# Altium PCB teletext2.PcbDoc (part 2 of 2)
Units mm, origin at the board's own origin, x right, y up, seen from the top; angles counter-clockwise.
Board outline 80 x 55 mm, 4 copper layers (Top Layer, Int1(Power), Int2(GND), Bottom Layer), stack 1.5 mm thick; 102 components, 116 nets, 522 pads, 118 vias.
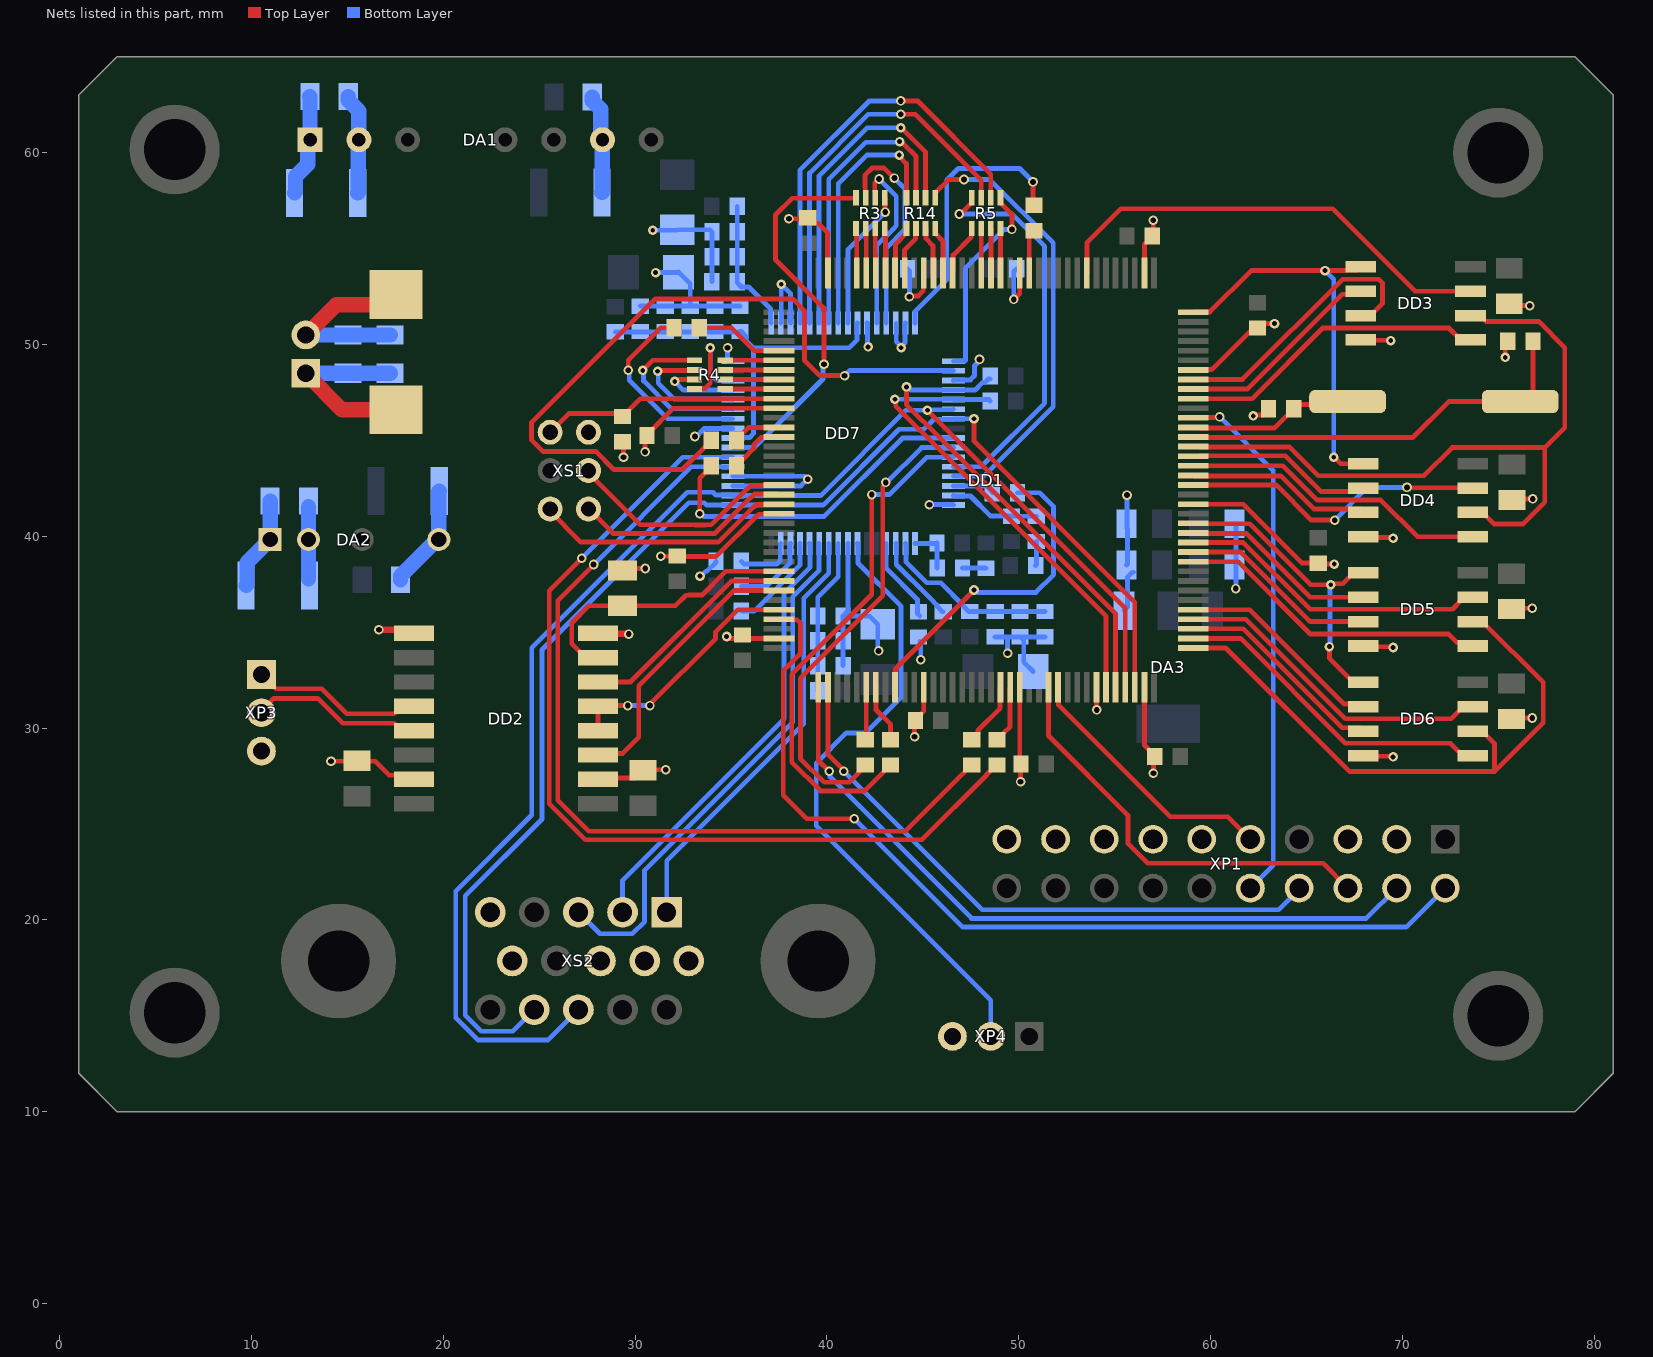
[diagram p4: the nets of this part, all layers, seen from the top]

## Via types
v1: diameter 0.5, hole 0.3, Top Layer to Bottom Layer, tented both sides, 70 vias
v2: diameter 0.5, hole 0.25, Top Layer to Bottom Layer, tented both sides, 44 vias
v3: diameter 0.5, hole 0.3, Top Layer to Bottom Layer, 4 vias

## Nets (pads, with @x,y where several pads share a name; then routed paths per layer and width w, separated by ;. In a path a pad name is that pad's centre, name@x,y a point inside that pad or via, vN(x,y) a via of type N, cw(c..) or ccw(c..) an arc to the next point about the centre after c; other vN are vias at no path point) (continued)
+27В: C1.2 C2.1 C3.1 C24.1 C25.1 C29.1 C31.1 DA1.2 DA2.2 XP2.1 | length 18.9
  Top Layer w0.8: XP2.1@12.835,48.495 14.735,46.595 C1.2@17.535,46.595
  Bottom Layer w0.8: XP2.1@12.835,48.495 C3.1@17.235,48.495 ; C31.1@12.975,37.782 DA2.2@12.975,39.832 C25.1@12.975,41.532 ; C24.1@15.05,62.925 15.05,62.725 15.605,62.17 DA1.2@15.605,60.675 15.577,60.647 15.577,57.928 C29.1@15.55,57.9
Analog_blue: DD7.43 XS2.3 | length 27.7
  Bottom Layer w0.25: XS2.3@27.05,20.4 28.175,19.275 29.861,19.275 30.5,19.914 30.5,22.585 38.225,30.31 38.225,36.845 39.6,38.22 DD7.43@39.6,39.625
Analog_Green: DD7.44 XS2.2 | length 23.3
  Bottom Layer w0.25: XS2.2@29.35,20.4 29.35,22.071 37.775,30.496 37.775,37.031 39.125,38.381 39.125,39.6 DD7.44@39.1,39.625
Analog_PAL: DD7.39 XP4.2 | length 32.8
  Bottom Layer w0.25: DD7.39@41.6,39.625 41.625,39.6 41.625,38.877 41.625,38.591 43.875,36.341 43.875,31.602 42.018,29.745 41.02,29.745 39.45,28.175 39.45,24.9 48.55,15.8 XP4.2@48.55,13.925
Analog_Red: DD7.42 XS2.1 | length 22.7
  Bottom Layer w0.25: XS2.1@31.65,20.4 31.65,23.075 38.795,30.22 38.795,36.779 40.1,38.083 DD7.42@40.1,39.625
B0: DD1.50 R10.2 | length 2.3
  Top Layer w0.25: DD1.50@50.557,53.725 50.557,55.687 R10.2@50.8,55.93
B0_out: DD7.16 R10.1 | length 14.4
  Top Layer w0.25: v1(50.75,58.475) 50.75,57.3 R10.1@50.8,57.25
  Bottom Layer w0.25: DD7.16@44.6,51.125 44.6,51.725 46.05,53.175 46.06,53.175 46.25,53.365 46.25,58.575 46.85,59.175 50.05,59.175 v1(50.75,58.475)
B1: DD1.53 R5.4 | length 2.3
  Top Layer w0.25: R5.4@49.05,56.05 49.053,56.047 49.053,53.728 DD1.53@49.057,53.725
B1_out: DD7.17 R5.5 | length 10.6
  Top Layer w0.25: R5.5@49.05,57.65 49.05,57.4 49.65,56.8 v1(49.65,56)
  Bottom Layer w0.25: DD7.17@46.6,49.125 47.2,49.125 47.225,49.15 47.225,53.975 49.25,56 v1(49.65,56)
B2: DD1.85 R6.2 | length 2.5
  Top Layer w0.25: R6.2@35.295,45 35.295,45.05 35.92,45.675 DD1.85@37.507,45.675
B2_out: DD7.18 R6.1 | length 39.5
  Top Layer w0.25: R6.1@33.975,45 33.975,44.95 33.7,44.675 33.65,44.675 32.45,43.475 28.904,43.475 27.956,44.423 25.198,44.423 24.6,45.021 24.6,45.925 31.05,52.375 38.217,52.375 38.834,51.757 38.834,49.172 39.631,48.375 v1(40.925,48.375)
  Bottom Layer w0.25: v1(40.925,48.375) 41.2,48.65 46.575,48.65 DD7.18@46.6,48.625
B3: DD1.86 R7.2 | length 3
  Top Layer w0.25: R7.2@35.295,43.675 35.295,43.725 35.57,44 35.62,44 36.201,44.581 36.201,44.779 36.572,45.15 37.482,45.15 DD1.86@37.507,45.175
B3_out: DD7.25 R7.1 | length 17.7
  Top Layer w0.25: v1(33.377,41.17) 33.377,43.027 R7.1@33.975,43.625
  Bottom Layer w0.25: v1(33.377,41.17) 33.445,41.17 33.59,41.025 39.849,41.025 43.949,45.125 DD7.25@46.6,45.125
B4: DD1.114 R8.2 | length 2.8
  Top Layer w0.25: R8.2@42,29.395 42.057,29.452 DD1.114@42.057,32.125
B4_out: DD7.26 R8.1 | length 24.9
  Top Layer w0.25: R8.1@42,28.075 41.95,28.075 41.675,27.8 41.675,27.674 41.176,27.175 39.861,27.175 38.625,28.411 38.625,32.603 42.918,36.895 42.918,42.588 43.069,42.74 v1(43.069,42.807)
  Bottom Layer w0.25: v1(43.069,42.807) 43.122,42.807 44.939,44.625 DD7.26@46.6,44.625
B5: DD1.115 R9.2 | length 3
  Top Layer w0.25: DD1.115@42.557,32.125 42.563,32.118 42.563,30.95 43.325,30.189 R9.2@43.325,29.395
B5_out: DD7.27 R9.1 | length 27.1
  Top Layer w0.25: v1(42.343,42.175) 42.343,36.965 38.175,32.797 38.175,28.225 39.675,26.725 41.975,26.725 43,27.75 43,27.8 43.275,28.075 R9.1@43.325,28.075
  Bottom Layer w0.25: v1(42.343,42.175) 43.25,42.175 45.2,44.125 DD7.27@46.6,44.125
B6: DD1.58 R5.1 | length 2.7
  Top Layer w0.25: DD1.58@46.557,53.725 46.582,53.75 46.582,54.66 47.525,55.603 47.525,56.025 R5.1@47.55,56.05
B6_out: DD7.28 R5.8 | length 20.6
  Top Layer w0.25: v1(46.9,56.8) 46.95,56.8 47.55,57.4 R5.8@47.55,57.65
  Bottom Layer w0.25: DD7.28@46.6,43.625 48.038,43.625 51.35,46.937 51.35,55.113 49.663,56.8 v1(46.9,56.8)
B7: DD1.59 R14.4 | length 2.5
  Top Layer w0.25: R14.4@45.65,56.05 45.65,55.8 46.057,55.393 DD1.59@46.057,53.725
B7_out: DD7.29 R14.5 | length 23.3
  Top Layer w0.25: R14.5@45.65,57.65 45.675,57.675 45.675,57.925 46.35,58.6 v1(47.15,58.6)
  Bottom Layer w0.25: DD7.29@46.6,43.125 48.175,43.125 51.15,46.1 51.625,46.575 51.8,46.75 51.8,55.3 48.5,58.6 v1(47.15,58.6)
CLK: DD1.117 R20.2 | length 17.1
  Top Layer w0.25: DD1.117@43.557,32.125 43.582,32.15 43.582,33.107 v2(47.675,37.2)
  Bottom Layer w0.25: v2(47.675,37.2) 47.743,37.2 47.868,37.075 50.9,37.075 51.825,38 51.825,41.55 51.1,42.275 R20.2@49.945,42.275
CLK_: DD7.30 R20.1 | length 2.2
  Bottom Layer w0.25: DD7.30@46.6,42.625 48.325,42.625 48.625,42.325 R20.1@48.625,42.275
CLK_1: DD1.22 DD3.6 DD4.6 | length 37.8
  Top Layer w0.25: DD1.22@59.45,44.65 64.125,44.65 65.618,43.157 71.132,43.157 72.6,44.625 77.434,44.625 ; DD3.6@73.557,51.505 74.057,51.505 74.362,51.2 77.105,51.2 78.475,49.83 78.475,45.666 77.434,44.625 ; DD4.6@73.682,41.242 74.182,41.242 74.776,40.648 76.311,40.648 77.434,41.771 77.434,44.625
CLK_2: DD1.1 DD5.6 DD6.6 | length 31.9
  Top Layer w0.25: DD1.1@59.107,34.175 60.802,34.175 67.233,27.744 74.807,27.744 74.807,29.215 74.182,29.84 DD6.6@73.682,29.84 ; DD5.6@73.682,35.55 74.182,35.55 77.35,32.382 77.35,30.287 74.825,27.762
CS_1: DD1.36 DD3.1 DD4.1 | length 21.3
  Top Layer w0.25: DD1.36@59.107,51.675 59.132,51.7 59.975,51.7 62.125,53.85 67.021,53.85 67.04,53.87 67.667,53.87 DD3.1@67.842,54.045 ; v2(66.425,44.125) 66.449,44.125 66.792,43.782 DD4.1@67.967,43.782
  Bottom Layer w0.25: v2(65.975,53.85) 66.425,53.4 v2(66.425,44.125)
CS_2: DD1.14 DD5.1 DD6.1 | length 16.6
  Top Layer w0.25: DD1.14@59.107,40.65 62.05,40.65 65.223,37.477 66.273,37.477 v2(66.275,37.475) 66.323,37.523 66.9,37.523 67.467,38.09 DD5.1@67.967,38.09 ; v2(66.2,34.25) 66.2,33.647 67.292,32.555 67.467,32.38 DD6.1@67.967,32.38
  Bottom Layer w0.25: v2(66.2,34.25) 66.238,34.288 66.238,37.437 v2(66.275,37.475)
DATA_1_0: DD1.27 DD3.5 | length 16.2
  Top Layer w0.25: DD1.27@59.107,47.175 62.175,47.175 65.86,50.86 72.432,50.86 73.057,50.235 DD3.5@73.557,50.235
DATA_1_1: DD1.28 DD3.2 | length 10.8
  Top Layer w0.25: DD1.28@59.107,47.675 61.925,47.675 66.868,52.618 67.685,52.618 DD3.2@67.842,52.775
DATA_1_2: DD1.29 DD3.3 | length 14.6
  Top Layer w0.25: DD1.29@59.107,48.175 61.667,48.175 66.892,53.4 68.777,53.4 68.967,53.209 68.967,52.13 68.342,51.505 DD3.3@67.842,51.505
DATA_1_3: DD1.44 DD3.7 | length 24.1
  Top Layer w0.25: DD1.44@53.557,53.725 53.557,55.3 55.332,57.075 66.371,57.075 70.672,52.775 DD3.7@73.557,52.775
DATA_1_4: DD1.20 DD4.5 | length 16.1
  Top Layer w0.25: DD1.20@59.107,43.675 63.779,43.675 65.567,41.887 68.882,41.887 70.797,39.972 DD4.5@73.682,39.972
DATA_1_5: DD1.21 DD4.2 | length 9.4
  Top Layer w0.25: DD1.21@59.45,44.2 63.891,44.2 65.753,42.337 66.726,42.337 67.792,42.337 DD4.2@67.967,42.512
DATA_1_6: DD1.19 DD4.3 | length 9.7
  Top Layer w0.25: DD1.19@59.107,43.15 63.668,43.15 65.401,41.417 67.792,41.417 DD4.3@67.967,41.242
DATA_1_7: DD1.18 DD4.7 | length 16.1
  Top Layer w0.25: DD1.18@59.107,42.675 63.425,42.675 65.258,40.842 v3(66.475,40.842) ; v3(70.25,42.55) 70.269,42.531 73.663,42.531 DD4.7@73.682,42.512
  Bottom Layer w0.25: v3(66.475,40.842) 68.183,42.55 v3(70.25,42.55)
DATA_2_0: DD1.10 DD5.5 | length 16.4
  Top Layer w0.25: DD1.10@59.107,38.675 61.442,38.675 65.217,34.9 67.027,34.9 67.032,34.905 68.902,34.905 68.907,34.9 72.425,34.9 72.87,34.455 73.507,34.455 DD5.5@73.682,34.28
DATA_2_1: DD1.13 DD5.2 | length 10.2
  Top Layer w0.25: DD1.13@59.107,40.15 61.876,40.15 65.206,36.82 DD5.2@67.967,36.82
DATA_2_2: DD1.11 DD5.3 | length 10.4
  Top Layer w0.25: DD1.11@59.107,39.175 61.578,39.175 65.203,35.55 DD5.3@67.967,35.55
DATA_2_3: DD1.12 DD5.7 | length 16.5
  Top Layer w0.25: DD1.12@58.932,39.675 61.714,39.675 65.194,36.195 72.62,36.195 73.007,36.582 73.007,36.645 73.182,36.82 DD5.7@73.682,36.82
DATA_2_4: DD1.2 DD6.5 | length 17.1
  Top Layer w0.25: DD1.2@59.107,34.675 61.569,34.675 67.03,29.215 72.51,29.215 72.98,28.745 73.507,28.745 DD6.5@73.682,28.57
DATA_2_5: DD1.5 DD6.2 | length 11
  Top Layer w0.25: DD1.5@59.107,36.175 62.057,36.175 66.979,31.253 67.824,31.253 DD6.2@67.967,31.11
DATA_2_6: DD1.3 DD6.3 | length 11.1
  Top Layer w0.25: DD1.3@59.107,35.175 61.706,35.175 66.866,30.015 67.792,30.015 DD6.3@67.967,29.84
DATA_2_7: DD1.4 DD6.7 | length 17
  Top Layer w0.25: DD1.4@59.107,35.675 61.842,35.675 67.032,30.485 72.56,30.485 73.007,30.932 73.007,30.935 73.182,31.11 DD6.7@73.682,31.11
DE/RE: DD1.104 DD2.4 DD2.5 | length 13
  Top Layer w0.25: DD2.4@28.075,29.865 DD2.5@28.075,31.135 28.115,31.175 v3(29.625,31.175) ; v3(30.775,31.175) 30.775,31.237 34.2,34.662 34.2,35.013 35.362,36.175 DD1.104@37.507,36.175
  Bottom Layer w0.25: v3(29.625,31.175) v3(30.775,31.175)
G0: DD1.54 R5.3 | length 2.3
  Top Layer w0.25: R5.3@48.55,56.05 48.553,56.047 48.553,53.728 DD1.54@48.557,53.725
G0_out: DD7.4 R5.6 | length 22.2
  Top Layer w0.25: v1(43.85,62.7) 44.727,62.7 48.55,58.877 R5.6@48.55,57.65
  Bottom Layer w0.25: DD7.4@38.6,51.125 38.6,59.075 42.225,62.7 v1(43.85,62.7)
G1: DD1.55 R5.2 | length 2.3
  Top Layer w0.25: R5.2@48.05,56.05 48.053,56.047 48.053,53.728 DD1.55@48.057,53.725
G1_out: DD7.5 R5.7 | length 20.4
  Top Layer w0.25: v1(43.85,62) 44.614,62 48.05,58.564 R5.7@48.05,57.65
  Bottom Layer w0.25: DD7.5@39.1,51.125 39.1,58.939 42.161,62 v1(43.85,62)
G2: DD1.60 R14.3 | length 2.5
  Top Layer w0.25: R14.3@45.15,56.025 R14.3@45.15,56.05 45.175,56.025 45.175,55.515 45.532,55.158 45.532,53.75 DD1.60@45.557,53.725
G2_out: DD7.6 R14.6 | length 17.2
  Top Layer w0.25: v2(43.85,61.3) 43.882,61.3 45.15,60.032 R14.6@45.15,57.65
  Bottom Layer w0.25: DD7.6@39.6,51.125 39.6,58.8 42.1,61.3 v2(43.85,61.3)
G3: DD1.63 R14.2 | length 2.6
  Top Layer w0.25: DD1.63@44.057,53.725 44.057,54.943 44.625,55.511 44.625,56.022 R14.2@44.652,56.048
G3_out: DD7.7 R14.7 | length 15.3
  Top Layer w0.25: v2(43.794,60.575) 43.862,60.575 43.987,60.45 44.013,60.45 44.65,59.813 R14.7@44.65,57.65
  Bottom Layer w0.25: DD7.7@40.1,51.125 40.1,58.611 42.032,60.543 43.763,60.543 v2(43.794,60.575)
G4: DD1.64 R14.1 | length 2.6
  Top Layer w0.25: DD1.64@43.557,53.725 43.582,53.75 43.582,55.232 44.125,55.775 44.125,56.025 R14.1@44.15,56.05
G4_out: DD7.8 R14.8 | length 13.4
  Top Layer w0.25: v2(43.775,59.875) 43.775,59.807 44.15,59.432 R14.8@44.15,57.65
  Bottom Layer w0.25: DD7.8@40.6,51.125 40.6,58.387 42.088,59.875 v2(43.775,59.875)
G5: DD1.65 R3.4 | length 2.3
  Top Layer w0.25: R3.4@43.025,56.025 43.05,56 43.05,55.627 43.057,55.62 DD1.65@43.057,53.725
G5_out: DD7.9 R3.5 | length 7.3
  Top Layer w0.25: R3.5@43.025,57.65 43.037,57.637 43.037,56.913 v1(43.05,56.9)
  Bottom Layer w0.25: DD7.9@41.1,51.125 41.1,54.95 v1(43.05,56.9)
G6: DD1.66 R3.3 | length 2.3
  Top Layer w0.25: R3.3@42.525,56.025 42.525,54.667 42.532,54.66 42.532,53.75 DD1.66@42.557,53.725
G6_out: DD7.12 R3.6 | length 9
  Top Layer w0.25: R3.6@42.5,57.995 42.5,58.425 42.7,58.625 v1(42.725,58.625)
  Bottom Layer w0.25: DD7.12@42.6,51.125 42.6,55.162 43.454,56.016 43.625,56.187 43.625,57.725 v1(42.725,58.625)
G7: DD1.67 R3.2 | length 2.3
  Top Layer w0.25: R3.2@42.025,56.025 42.05,56 42.05,55.627 42.05,55.49 42.057,55.483 DD1.67@42.057,53.725
G7_out: DD7.13 R3.7 | length 11.3
  Top Layer w0.25: R3.7@42.025,57.65 42,57.675 42,58.185 41.989,58.196 41.989,58.827 42.362,59.2 42.963,59.2 42.965,59.198 42.987,59.198 43.51,58.675 v1(43.525,58.675)
  Bottom Layer w0.25: DD7.13@43.1,51.125 43.1,55.025 44.075,56 44.075,58.125 v1(43.525,58.675)
GND: C4.2 C5.2 C6.2 C7.2 C8.2 C9.2 C10.2 C11.2 C12.2 C13.2 C14.2 C15.2 C16.2 C17.2 C18.2 C20.2 C21.2 C22.2 C23.2 C28.2 C30.2 C32.2 C33.2 C34.2 C36.2 C37.2 C38.2 C41.2 C42.2 C43.2 C44.2 C47.2 C48.2 C49.2 C50.2 C51.2 C53.2 C54.2 C56.1 C57.1 C58.1 C59.1 C60.2 DA1.7 DA3.3 DD1.16 DD1.30 DD1.38 DD1.51 DD1.61 DD1.71 DD1.83 DD1.94 DD1.107 DD1.120 DD1.130 DD1.138 DD1.143 DD2.2 DD2.8 DD3.4 DD4.4 DD5.4 DD6.4 DD7.2 DD7.3 DD7.11 DD7.14 DD7.15 DD7.19 DD7.32 DD7.40 DD7.51 DD7.52 DD7.57 DD7.64 R1.2 R2.2 R21.1 R22.1 XP1.3 XP1.5 XP1.11 XP1.13 XP1.15 XP1.17 XP1.19 XP4.3 XS1.5 XS2.5 XS2.6 XS2.7 XS2.8 XS2.10 | length 148
  Top Layer w0.25: XS1.5@27.575,45.425 XS1.5@27.75,45.25 ; DD2.2@28.14,27.287 28.253,27.4 30.025,27.4 C17.2@30.425,27.8 30.45,27.825 v1(31.6,27.825) ; R1.2@29.3,44.925 R1.2@29.35,44.925 29.4,44.875 v1(29.4,44.125) ; R2.2@29.35,38.225 29.447,38.322 v1(30.528,38.322) ; v1(30.525,44.4) C14.2@30.525,45.1 ; C14.2@30.625,45.25 30.625,45.3 32,46.675 DD1.83@37.507,46.675 ; v1(31.344,38.956) 32.162,38.956 C6.2@32.176,38.97 ; C6.2@32.25,39.25 32.55,38.95 34.236,38.95 36.386,41.1 36.409,41.1 36.459,41.15 37.482,41.15 DD1.94@37.507,41.175 ; v2(34.775,34.775) 34.843,34.775 34.943,34.675 DD1.107@37.507,34.675 ; v1(38.025,56.55) C13.2@39.05,56.55 ; C13.2@39,56.6 C13.2@39.05,56.55 ; C13.2@39.1,56.55 C13.2@39.05,56.55 ; DD1.71@40.057,53.725 40.032,53.75 40.032,54.523 40.032,55.854 39.561,56.325 39.275,56.325 C13.2@39.05,56.55 ; v1(44.307,52.486) 44.355,52.534 44.776,52.534 45.032,52.79 45.032,53.7 DD1.61@45.057,53.725 ; v1(44.575,29.55) 44.575,30.35 C16.2@44.625,30.4 44.625,30.45 45.057,30.882 DD1.120@45.057,32.125 ; v1(49.75,52.35) 50.057,52.657 DD1.51@50.057,53.725 ; DD1.130@50.057,32.125 50.057,28.15 50.1,28.107 v1(50.1,27.2) ; DD1.138@54.057,32.125 54.066,32.116 54.066,30.959 v1(54.075,30.95) ; DD1.143@56.557,32.125 56.557,29.118 57.1,28.575 C18.2@57.1,28.525 57.025,28.45 v1(57.025,27.65) ; DD1.38@56.557,53.725 56.557,55.212 57.02,55.675 v1(57.02,56.475) ; DD1.16@59.107,41.675 61.703,41.675 64.778,38.6 C5.2@65.625,38.6 ; DD1.30@59.6,48.675 59.619,48.694 60.069,48.694 62.28,50.905 C4.2@62.5,50.905 ; v2(62.235,46.275) 62.302,46.275 62.353,46.325 62.755,46.325 63.03,46.6 C10.2@63.03,46.65 ; C4.2@62.45,50.855 C4.2@62.5,50.905 ; v2(63.339,51.086) 62.681,51.086 C4.2@62.5,50.905 ; C5.2@65.675,38.55 v2(66.45,38.55) ; DD3.4@67.842,50.235 67.859,50.217 69.383,50.217 v2(69.4,50.2) ; DD6.4@67.967,28.57 68.002,28.535 69.49,28.535 v2(69.525,28.5) ; DD5.4@67.967,34.28 68.007,34.24 69.485,34.24 v2(69.525,34.2) ; DD4.4@67.967,39.972 68.003,39.936 69.489,39.936 v2(69.525,39.9) ; v2(75.375,49.325) 75.375,50.05 C9.2@75.5,50.175 ; C20.2@75.575,52.125 75.675,52.025 v1(76.65,52.025) ; C21.2@75.725,41.9 75.775,41.95 v1(76.8,41.95) ; C23.2@75.75,30.525 v1(76.775,30.525) ; C22.2@75.75,36.25 v1(76.775,36.25)
  Top Layer w0.35: DD2.8@28.075,34.945 28.098,34.923 29.652,34.923 v1(29.675,34.9)
  Bottom Layer w0.25: C47.2@30.275,52 32.288,52 32.292,51.996 ; v2(30.925,55.95) 32.17,55.95 C59.1@32.2,55.98 33.905,55.98 C42.2@34.01,55.875 C48.2@34.01,54.575 34.01,53.28 C50.2@34.005,53.275 ; v2(31.075,53.75) 32.245,53.75 C58.1@32.27,53.775 32.875,53.17 C36.2@32.875,52 ; 32.292,52 C36.2@32.875,52 ; v1(33.125,45.2) 33.184,45.2 33.596,45.612 35.087,45.612 DD7.57@35.1,45.625 ; v2(33.386,37.925) 33.446,37.925 33.695,38.175 33.75,38.175 34.225,38.65 R21.1@34.225,38.7 ; v1(34.825,49.825) 34.825,49.15 34.85,49.125 DD7.64@35.1,49.125 ; DD7.51@35.1,42.625 38.65,42.625 v1(39,42.975) 38.85,43.125 DD7.52@35.1,43.125 ; C41.2@35.475,52 C49.2@34.175,52 C36.2@32.875,52 ; DD7.2@37.6,51.125 37.625,51.15 v2(37.625,53.143) 38.1,52.668 DD7.3@38.1,51.125 ; C33.2@40.845,35.85 41.1,36.105 DD7.40@41.1,39.625 ; C43.2@40.85,33.25 C37.2@40.85,34.55 40.85,35.85 42.207,35.85 C56.1@42.65,35.407 42.65,34.075 v1(42.7,34.025) ; DD7.11@42.1,51.125 42.125,51.1 42.125,49.9 v2(42.15,49.875) ; DD7.14@43.625,51.1 43.625,50.143 v2@43.875,49.893 ; v2(43.875,49.825) v2@43.875,49.893 ; DD7.15@44.1,51.125 44.075,51.1 44.075,50.093 v2@43.875,49.893 ; C12.2@44.205,53.95 44.307,53.848 v1(44.307,52.486) ; R22.1@44.85,34.53 44.894,34.486 44.894,33.564 v1(44.897,33.561) ; v1(45.35,41.65) 46.575,41.65 DD7.32@46.6,41.625 ; DD7.19@46.6,48.125 46.625,48.15 47.485,48.15 47.7,48.365 47.7,48.894 47.961,49.155 v1(47.961,49.223) ; C38.2@48.775,34.755 49.425,34.755 ; v1(49.425,33.9) 49.425,34.755 ; v1(49.75,52.35) 49.75,53.805 C11.2@49.895,53.95 ; C34.2@50.125,34.755 C44.2@51.375,34.755 ; C57.1@50.757,32.95 50.262,33.445 50.262,34.568 C34.2@50.075,34.755 49.425,34.755 ; DA3.3@55.502,36.125 55.675,36.298 55.675,37.875 55.925,38.125 C60.2@55.982,38.125 ; C60.2@55.625,38.5 55.675,38.55 55.675,40.4 55.65,40.425 v1(55.65,42.15) ; v1(61.325,37.275) 61.325,38.448 61.327,38.45 C28.2@61.327,40.475
  Bottom Layer w0.8: C51.2@27.775,62.9 27.775,62.7 28.209,62.266 28.209,60.771 DA1.7@28.305,60.675 28.29,60.66 28.29,57.94 C54.2@28.275,57.925
HS: DD1.141 DD7.22 DD7.50 XS2.13 | length 74.5
  Top Layer w0.25: v2(45.244,46.568) 55.557,36.255 DD1.141@55.557,32.125
  Bottom Layer w0.25: XS2.13@27.05,15.32 25.475,13.745 21.798,13.745 20.65,14.893 20.65,21.5 24.619,25.469 24.619,34.194 32.725,42.3 34.065,42.3 34.215,42.15 35.075,42.15 DD7.50@35.1,42.125 39.676,42.125 44.12,46.568 v2(45.244,46.568) 45.275,46.6 46.575,46.6 DD7.22@46.6,46.625
NetC9_1: C9.1 DD1.23 ZQ1.2 | length 21
  Top Layer w0.25: DD1.23@59.5,45.15 70.55,45.15 72.425,47.025 76.358,47.025 76.82,47.487 C9.1@76.82,50.175
NetC10_1: C10.1 DD1.24 ZQ1.1 | length 8.4
  Top Layer w0.25: DD1.24@59.425,45.65 63.35,45.65 64.025,46.325 64.075,46.325 64.35,46.6 C10.1@64.35,46.7 ; C10.1@64.35,46.65 64.575,46.875 67,46.875 ZQ1.1@67.15,47.025
NetC26_2: C26.2 DD7.45 | length 5.2
  Bottom Layer w0.25: C26.2@35.545,36.1 36.207,36.1 38.6,38.493 DD7.45@38.6,39.625
NetC27_2: C27.2 DD7.35 | length 4.6
  Bottom Layer w0.25: DD7.35@43.6,39.625 43.625,39.6 43.625,38.529 45.361,36.793 45.369,36.793 45.559,36.603 45.559,36.595 45.75,36.404 45.75,36.345 46.025,36.07 C27.2@46.075,36.07
NetC32_1: C32.1 C36.1 C41.1 C47.1 C49.1 DD7.10 DD7.56 L3.1 | length 19.8
  Bottom Layer w0.25: L3.1@28.975,50.655 30.275,50.655 31.575,50.655 32.875,50.655 34.175,50.655 35.325,50.655 35.45,50.655 C41.1@35.475,50.68 35.525,50.68 35.8,50.405 35.8,50.2 36.175,49.825 ; DD7.56@35.1,45.125 35.125,45.15 35.848,45.15 35.985,45.15 36.175,45.34 36.175,49.825 ; DD7.10@41.6,51.125 41.575,51.1 41.575,50.24 41.16,49.825 36.175,49.825
NetC33_1: C33.1 C37.1 C43.1 DD7.41 L1.1 | length 8.1
  Bottom Layer w0.25: L1.1@39.525,31.95 39.525,33.25 39.525,34.55 C33.1@39.525,35.85 39.525,36.825 40.6,37.9 DD7.41@40.6,39.625
NetC34_1: C34.1 C38.1 C44.1 DD7.34 L2.1 | length 9.3
  Bottom Layer w0.25: DD7.34@44.1,39.625 44.125,39.6 44.125,38.665 45.215,37.575 45.93,37.575 47.125,36.38 47.125,36.35 47.4,36.075 L2.1@47.45,36.075 C38.1@48.775,36.075 C34.1@50.075,36.075 C44.1@51.375,36.075
NetC35_1: C35.1 DD7.46 | length 4.1
  Bottom Layer w0.25: C35.1@35.55,37.4 36.871,37.4 38.075,38.604 38.075,39.6 DD7.46@38.1,39.625
NetC39_1: C39.1 R23.1 | length 1.2
  Bottom Layer w0.25: R23.1@47.07,38.35 48.28,38.35 C39.1@48.3,38.33
NetC40_1: C40.1 R24.1 | length 1.3
  Bottom Layer w0.25: C40.1@50.886,38.474 50.925,38.514 R24.1@50.925,39.725
NetC42_1: C42.1 C48.1 C50.1 DD7.1 L4.1 | length 7
  Bottom Layer w0.25: L4.1@35.325,57.2 35.325,55.875 35.325,54.575 35.325,53.225 35.553,52.997 35.928,52.997 37.075,51.85 37.075,51.15 DD7.1@37.1,51.125
NetC45_1: C45.1 DD7.33 R23.2 | length 2.5
  Bottom Layer w0.25: DD7.33@44.6,39.625 45.72,39.625 C45.1@45.745,39.65 45.745,38.355 R23.2@45.75,38.35
NetC46_1: C46.1 DD7.31 R24.2 | length 4.8
  Bottom Layer w0.25: DD7.31@46.6,42.125 46.625,42.1 47.49,42.1 48.54,41.05 C46.1@49.625,41.05 49.63,41.045 R24.2@50.925,41.045
NetDD7_36: DD7.36 R22.2 | length 4.5
  Bottom Layer w0.25: DD7.36@43.1,39.625 43.1,38.325 44.728,36.697 44.728,35.972 R22.2@44.85,35.85
NetDD7_47: DD7.47 R21.2 | length 3.1
  Bottom Layer w0.25: R21.2@35.545,38.7 35.695,38.55 37.385,38.55 37.575,38.74 37.575,39.6 DD7.47@37.6,39.625
nTRST: DD1.134 XP1.9 | length 13.8
  Top Layer w0.25: DD1.134@52.057,32.125 52.082,32.1 52.082,31.327 52.082,31.19 52.272,31 57.897,25.375 60.91,25.375 XP1.9@62.085,24.2
PV: DD1.100 DD2.7 R2.1 | length 14.7
  Top Layer w0.25: DD2.7@28.075,33.675 27.425,33.675 26.7,34.4 26.7,35.48 27.595,36.375 R2.1@29.35,36.375 32.108,36.375 32.658,36.925 32.785,36.925 32.798,36.939 33.498,36.939 34.734,38.175 DD1.100@37.507,38.175
R0: DD1.128 R11.2 | length 3.4
  Top Layer w0.25: R11.2@47.55,29.395 47.6,29.395 47.875,29.67 47.875,29.875 49.032,31.032 49.032,32.1 DD1.128@49.057,32.125
R0_out: DD7.53 R11.1 | length 46.1
  Top Layer w0.25: v1(27.84,38.527) 27.84,38.51 25.975,36.645 25.975,26.95 25.975,26.245 27.595,24.625 44.1,24.625 47.225,27.75 47.225,27.8 47.5,28.075 R11.1@47.55,28.075
  Bottom Layer w0.25: v1(27.84,38.527) 32.937,43.625 DD7.53@35.1,43.625
R1: DD1.129 R12.2 | length 3
  Top Layer w0.25: R12.2@48.875,29.395 48.925,29.395 49.2,29.67 49.2,29.72 49.557,30.077 DD1.129@49.557,32.125
R1_out: DD7.54 R12.1 | length 49.3
  Top Layer w0.25: v1(27.22,38.853) 27.22,38.845 25.525,37.15 25.525,26.059 27.409,24.175 29.614,24.175 44.96,24.175 48.325,27.54 48.325,27.575 48.825,28.075 R12.1@48.875,28.075
  Bottom Layer w0.25: v1(27.22,38.853) 27.228,38.853 32.5,44.125 DD7.54@35.1,44.125
R2: DD1.68 R3.1 | length 2.3
  Top Layer w0.25: R3.1@41.525,56.025 41.55,56 41.55,55.49 41.557,55.483 DD1.68@41.557,53.725
R2_out: DD7.55 R3.8 | length 20.4
  Top Layer w0.25: v1(39.853,48.966) 39.85,48.969 39.85,51.9 37.325,54.425 37.325,56.763 38.187,57.625 R3.8@41.525,57.625
  Bottom Layer w0.25: DD7.55@35.1,44.625 36.225,44.625 39.8,48.2 39.8,48.738 39.805,48.743 39.805,48.919 v1(39.853,48.966)
R3: DD1.77 R13.2 | length 4.7
  Top Layer w0.25: R13.2@33.35,50.875 35.025,50.875 36.225,49.675 DD1.77@37.507,49.675
R3_out: DD7.58 R13.1 | length 10.4
  Top Layer w0.25: v1(29.65,48.65) 29.65,49.175 31.35,50.875 R13.1@32.03,50.875
  Bottom Layer w0.25: v1(29.65,48.65) 29.698,48.602 29.698,48.127 31.7,46.125 DD7.58@35.1,46.125
R4: DD1.78 R4.4 | length 2.8
  Top Layer w0.25: R4.4@34.7,49.175 DD1.78@37.507,49.175 DD1.78@37.494,49.163
R4_out: DD7.59 R4.5 | length 8.7
  Top Layer w0.25: v2(30.4,48.65) 30.925,49.175 R4.5@33.1,49.175
  Bottom Layer w0.25: v2(30.4,48.65) 30.448,48.602 30.448,48.102 31.9,46.65 34.352,46.65 35.075,46.65 DD7.59@35.1,46.625
R5: DD1.79 R4.3 | length 2.8
  Top Layer w0.25: R4.3@34.7,48.675 DD1.79@37.507,48.675 DD1.79@37.494,48.663
R5_out: DD7.60 R4.6 | length 6.8
  Top Layer w0.25: v2(31.175,48.6) 31.223,48.648 31.388,48.648 31.39,48.65 33.075,48.65 R4.6@33.1,48.675
  Bottom Layer w0.25: v2(31.175,48.6) 31.211,48.564 31.211,47.975 32.036,47.15 35.075,47.15 DD7.60@35.1,47.125
R6: DD1.80 R4.2 | length 2.8
  Top Layer w0.25: R4.2@34.7,48.175 DD1.80@37.507,48.175
R6_out: DD7.61 R4.7 | length 4.3
  Top Layer w0.25: v2(32.075,48.075) 32.143,48.075 32.243,48.175 R4.7@33.1,48.175
  Bottom Layer w0.25: v2(32.075,48.075) 32.525,47.625 DD7.61@35.1,47.625
R7: DD1.81 R4.1 | length 2.8
  Top Layer w0.25: R4.1@34.7,47.675 37.482,47.675 37.494,47.663 DD1.81@37.507,47.675
R7_out: DD7.62 R4.8 | length 5.5
  Top Layer w0.25: R4.8@33.1,47.675 33.125,47.7 33.635,47.7 33.925,47.99 v2(33.925,49.83)
  Bottom Layer w0.25: v2(33.925,49.83) 33.925,48.44 34.215,48.15 35.075,48.15 DD7.62@35.1,48.125
Reset: DD1.25 XP1.10 | length 27.6
  Top Layer w0.25: DD1.25@59.107,46.175 59.132,46.2 60.45,46.2 v1(60.475,46.225)
  Bottom Layer w0.25: v1(60.475,46.225) 63.275,43.425 63.275,22.85 XP1.10@62.085,21.66
RS485_N: DD2.12 XP3.1 | length 9
  Top Layer w0.25: XP3.1@10.525,32.8 11.273,32.052 13.669,32.052 14.969,30.752 17.442,30.752 17.825,31.135 DD2.12@18.475,31.135
RS485_P: DD2.13 XP3.2 | length 9
  Top Layer w0.25: XP3.2@10.525,30.8 10.525,30.912 11.161,31.548 13.461,31.548 14.761,30.248 17.442,30.248 17.825,29.865 DD2.13@18.475,29.865
RXD: DD1.102 DD2.3 | length 14.6
  Top Layer w0.25: DD2.3@28.075,28.595 28.159,28.679 29.354,28.679 30.2,29.525 30.2,32.205 35.17,37.175 DD1.102@37.507,37.175
SCL: DD1.139 DD7.21 R19.1 | length 24.6
  Top Layer w0.25: v2(43.55,47.143) 43.598,47.096 43.598,46.781 44.219,46.16 44.219,46.144 44.819,45.543 44.835,45.543 54.557,35.822 DD1.139@54.557,32.125
  Bottom Layer w0.25: v2(43.55,47.143) 46.582,47.143 DD7.21@46.6,47.125 48.45,47.125 R19.1@48.525,47.05
SDA: DD1.140 DD7.20 R18.1 | length 24.9
  Top Layer w0.25: v2(44.152,47.789) 44.152,46.863 44.669,46.346 44.669,46.33 45.006,45.993 45.022,45.993 55.057,35.958 DD1.140@55.057,32.125
  Bottom Layer w0.25: v2(44.152,47.789) 44.219,47.789 44.384,47.625 47.725,47.625 48.13,48.03 48.253,48.03 48.423,48.2 R18.1@48.525,48.2
TCK: DD1.109 XP1.4 | length 38.2
  Top Layer w0.25: DD1.109@39.557,32.125 39.557,28.311 40.118,27.75 v1(40.125,27.75)
  Bottom Layer w0.25: v1(40.125,27.75) 40.172,27.702 40.172,27.453 47.55,20.075 68.12,20.075 XP1.4@69.705,21.66
TDI: DD1.110 XP1.8 | length 32
  Top Layer w0.25: DD1.110@40.057,32.125 40.057,28.631 40.888,27.8 v1(40.888,27.75)
  Bottom Layer w0.25: v1(40.888,27.75) 48.113,20.525 63.564,20.525 64.625,21.586 XP1.8@64.625,21.66
TDO: DD1.133 XP1.6 | length 22.3
  Top Layer w0.25: DD1.133@51.557,32.125 51.557,29.596 55.7,25.453 55.7,23.985 56.735,22.95 65.875,22.95 XP1.6@67.165,21.66
TMS: DD1.105 XP1.2 | length 48.8
  Top Layer w0.25: DD1.105@37.507,35.675 37.532,35.65 38.305,35.65 38.442,35.65 38.632,35.46 38.632,33.89 38.179,33.437 37.725,32.983 37.725,26.5 38.956,25.269 41.419,25.269 v1(41.425,25.275) ; XP1.2@72.058,21.473 XP1.2@72.245,21.66
  Bottom Layer w0.25: v1(41.425,25.275) 47.075,19.625 70.21,19.625 XP1.2@72.058,21.473
touch_INT: DD1.91 XS1.3 | length 12
  Top Layer w0.25: XS1.3@27.5,43.375 30.275,40.6 33.142,40.6 33.147,40.595 33.683,40.595 33.688,40.6 33.977,40.6 35.827,42.45 35.85,42.45 36.05,42.65 37.482,42.65 DD1.91@37.507,42.675
touch_RESET: DD1.82 R1.1 XS1.6 | length 13
  Top Layer w0.25: XS1.6@25.575,45.425 26.55,46.4 R1.1@29.555,46.4 ; R1.1@29.35,46.245 29.53,46.425 29.58,46.425 29.675,46.52 29.675,46.57 30.28,47.175 DD1.82@37.507,47.175
touch_SCL: DD1.92 XS1.1 | length 11.3
  Top Layer w0.25: XS1.1@27.629,41.379 28.858,40.15 32.956,40.15 32.961,40.145 34.158,40.145 36.013,42 36.036,42 36.236,42.2 36.709,42.2 37.482,42.2 DD1.92@37.507,42.175
touch_SDA: DD1.93 XS1.2 | length 13.5
  Top Layer w0.25: XS1.2@25.5,41.375 27.175,39.7 32.77,39.7 32.775,39.695 34.345,39.695 36.2,41.55 36.223,41.55 36.332,41.659 37.491,41.659 DD1.93@37.507,41.675
TXD: DD1.101 DD2.6 | length 11.6
  Top Layer w0.25: DD2.6@28.075,32.405 29.764,32.405 35.034,37.675 DD1.101@37.507,37.675
VS: DD1.142 DD7.23 DD7.49 XS2.14 | length 70.2
  Top Layer w0.25: v2(47.675,46.125) 47.675,44.95 56.057,36.568 DD1.142@56.057,32.125
  Bottom Layer w0.25: XS2.14@24.75,15.32 23.625,14.195 21.984,14.195 21.15,15.029 21.15,21.25 25.15,25.25 25.15,34.088 32.807,41.745 33.615,41.745 33.735,41.625 DD7.49@35.1,41.625 39.813,41.625 43.763,45.575 45.064,45.575 45.589,46.1 46.575,46.1 DD7.23@46.6,46.125 v2(47.675,46.125)
Общ_27В: C1.1 C2.2 C3.2 C24.2 C25.2 C29.2 C31.2 DA1.1 DA2.1 XP2.2 | length 20.3
  Top Layer w0.8: XP2.2@12.835,50.495 14.41,52.07 17.01,52.07 C1.1@17.535,52.595
  Bottom Layer w0.8: C31.2@9.725,37.432 9.775,37.482 9.775,38.632 DA2.1@10.975,39.832 C25.2@10.975,41.832 ; C29.2@12.25,57.9 12.3,57.95 12.3,58.75 12.946,59.396 12.946,60.556 DA1.1@13.065,60.675 13.057,60.682 13.057,62.917 C24.2@13.05,62.925 ; XP2.2@12.835,50.495 C2.2@15.035,50.495 C3.2@17.235,50.495
Общ_RS: C19.2 C52.2 C55.2 DA2.5 DD2.9 DD2.15 XP3.3 | length 11.9
  Top Layer w0.25: v1(14.15,28.275) 15.475,28.275 16.45,28.275 17.18,27.545 DD2.15@18.482,27.545
  Top Layer w0.35: v1(16.65,35.125) 16.657,35.132 DD2.9@18.424,35.132
  Bottom Layer w0.8: C52.2@17.775,37.732 17.775,37.932 19.675,39.832 DA2.5@19.775,39.832 19.775,42.325 C55.2@19.8,42.35
pads on no net: DA1.3 DA1.5 DA1.8 DD1.7 DD1.8 DD1.9 DD1.15 DD1.26 DD1.31 DD1.32 DD1.34 DD1.35 DD1.37 DD1.40 DD1.41 DD1.42 DD1.43 DD1.45 DD1.46 DD1.47 DD1.48 DD1.49 DD1.56 DD1.57 DD1.69 DD1.70 DD1.73 DD1.74 DD1.75 DD1.76 DD1.87 DD1.88 DD1.89 DD1.90 DD1.96 DD1.97 DD1.98 DD1.99 DD1.103 DD1.106 DD1.111 DD1.112 DD1.113 DD1.116 DD1.118 DD1.119 DD1.122 DD1.123 DD1.124 DD1.125 DD1.126 DD1.127 DD1.132 DD1.135 DD1.136 DD1.137 DD2.10 DD2.11 DD2.14 DD7.24 DD7.37 DD7.38 DD7.48 DD7.63 XP1.7 XP1.12 XP1.14 XP1.16 XP1.18 XP1.20 XP4.1 XS2.4 XS2.9 XS2.11 XS2.12 XS2.15 XS2.16 XS2.17

## Polygon pours and split planes (outlines as drawn)
Общ_RS on Int2(GND) "Общ_RS_L03_P006" (solid, remove dead copper, pour order 6): 13.978,35.072 10.953,35.072 10.95,35.075 9.7,33.825 9.7,25.65 11.5,23.85 13.95,23.85 19.975,23.85 21.7,25.575 21.7,39.675 20.425,40.95 15.375,40.95 14.575,40.15 14.575,35.756
Общ_27В on Int2(GND) "Общ_27В_L03_P008" (solid, remove dead copper, pour order 8): 12.725,37.975 13.575,38.825 13.575,41.3 18.6,46.325 18.6,60.375 14.775,64.2 10.927,64.2 9.275,62.584 9.275,39.65 10.95,37.975
GND on Int2(GND) "GND_L03_P014" (solid, remove dead copper, pour order 14): 20.4,15.4 20.4,14.95 22.675,12.675 53.4,12.675 54.7,13.975 58.475,17.775 75.7,17.775 78.675,20.75 78.675,54.225 76.2,56.7 56.125,56.7 49.7,63.125 48.85,63.975 21.6,63.975 21.1,63.475 21.1,56.675 24.4,53.375 24.4,26.075 20.4,22.075
+27В on Int1(Power) "+27В_L02_P010" (solid, remove dead copper, pour order 10): 12.725,37.975 13.575,38.825 13.575,41.3 18.6,46.325 18.6,60.375 14.775,64.2 10.931,64.2 9.275,62.58 9.275,39.65 10.95,37.975
+3,3В on Int1(Power) "+3,3В_L02_P009" (solid, remove dead copper, pour order 9): 26.3,24.15 24.375,26.075 24.375,46.05 24.375,53.35 21.076,56.649 21.076,63.451 21.6,63.975 48.85,63.975 49.7,63.125 56.125,56.7 76.151,56.724 78.676,54.199 78.676,20.751 75.675,17.75 52.658,17.75 46.455,24.15
+1,8В_A on Int1(Power) "+1,8В_A_L02_P007" (solid, remove dead copper, pour order 7): 47.75,41 46.475,39.725 46.475,33.75 48.575,31.65 55.375,31.65 56.475,30.55 58.475,30.55 58.85,30.925 58.85,35 58.45,35.4 52.458,40.949

## Other copper
Top Layer:
  pour cut-out: 6,57.664 cw(c6,60.164) 3.5,60.164 cw(c6,60.164) 6,62.664 cw(c6,60.164) 8.5,60.164 cw(c6,60.164)
  pour cut-out: 75,12.5 cw(c75,15) 72.5,15 cw(c75,15) 75,17.5 cw(c75,15) 77.5,15 cw(c75,15)
  pour cut-out: 6,12.664 cw(c6,15.164) 3.5,15.164 cw(c6,15.164) 6,17.664 cw(c6,15.164) 8.5,15.164 cw(c6,15.164)
  pour cut-out: 75,57.5 cw(c75,60) 72.5,60 cw(c75,60) 75,62.5 cw(c75,60) 77.5,60 cw(c75,60)
Bottom Layer:
  pour cut-out: 6,57.664 cw(c6,60.164) 3.5,60.164 cw(c6,60.164) 6,62.664 cw(c6,60.164) 8.5,60.164 cw(c6,60.164)
  pour cut-out: 75,12.5 cw(c75,15) 72.5,15 cw(c75,15) 75,17.5 cw(c75,15) 77.5,15 cw(c75,15)
  pour cut-out: 6,12.664 cw(c6,15.164) 3.5,15.164 cw(c6,15.164) 6,17.664 cw(c6,15.164) 8.5,15.164 cw(c6,15.164)
  pour cut-out: 75,57.5 cw(c75,60) 72.5,60 cw(c75,60) 75,62.5 cw(c75,60) 77.5,60 cw(c75,60)

## Silkscreen, mask and mechanical layers (free items; w line width, h text height)
Top Overlay:
  circle w0.1: c6,60.164 r2.6
  circle w0.1: c75,15 r2.6
  circle w0.1: c6,15.164 r2.6
  circle w0.1: c75,60 r2.6
Board:
  the board outline again, w0.2